# Altium PCB UmTRXv2.PcbDoc (part 13 of 25)
Units mm, origin at the board's own origin, x right, y up, seen from the top; angles counter-clockwise.
Board outline 159.5 x 99.5 mm, 6 copper layers (Top Layer, GND, MidLayer1, Mid-Layer 2, InternalPlane2, Bottom Layer), stack 1.526 mm thick; 708 components, 578 nets, 2802 pads, 1408 vias.
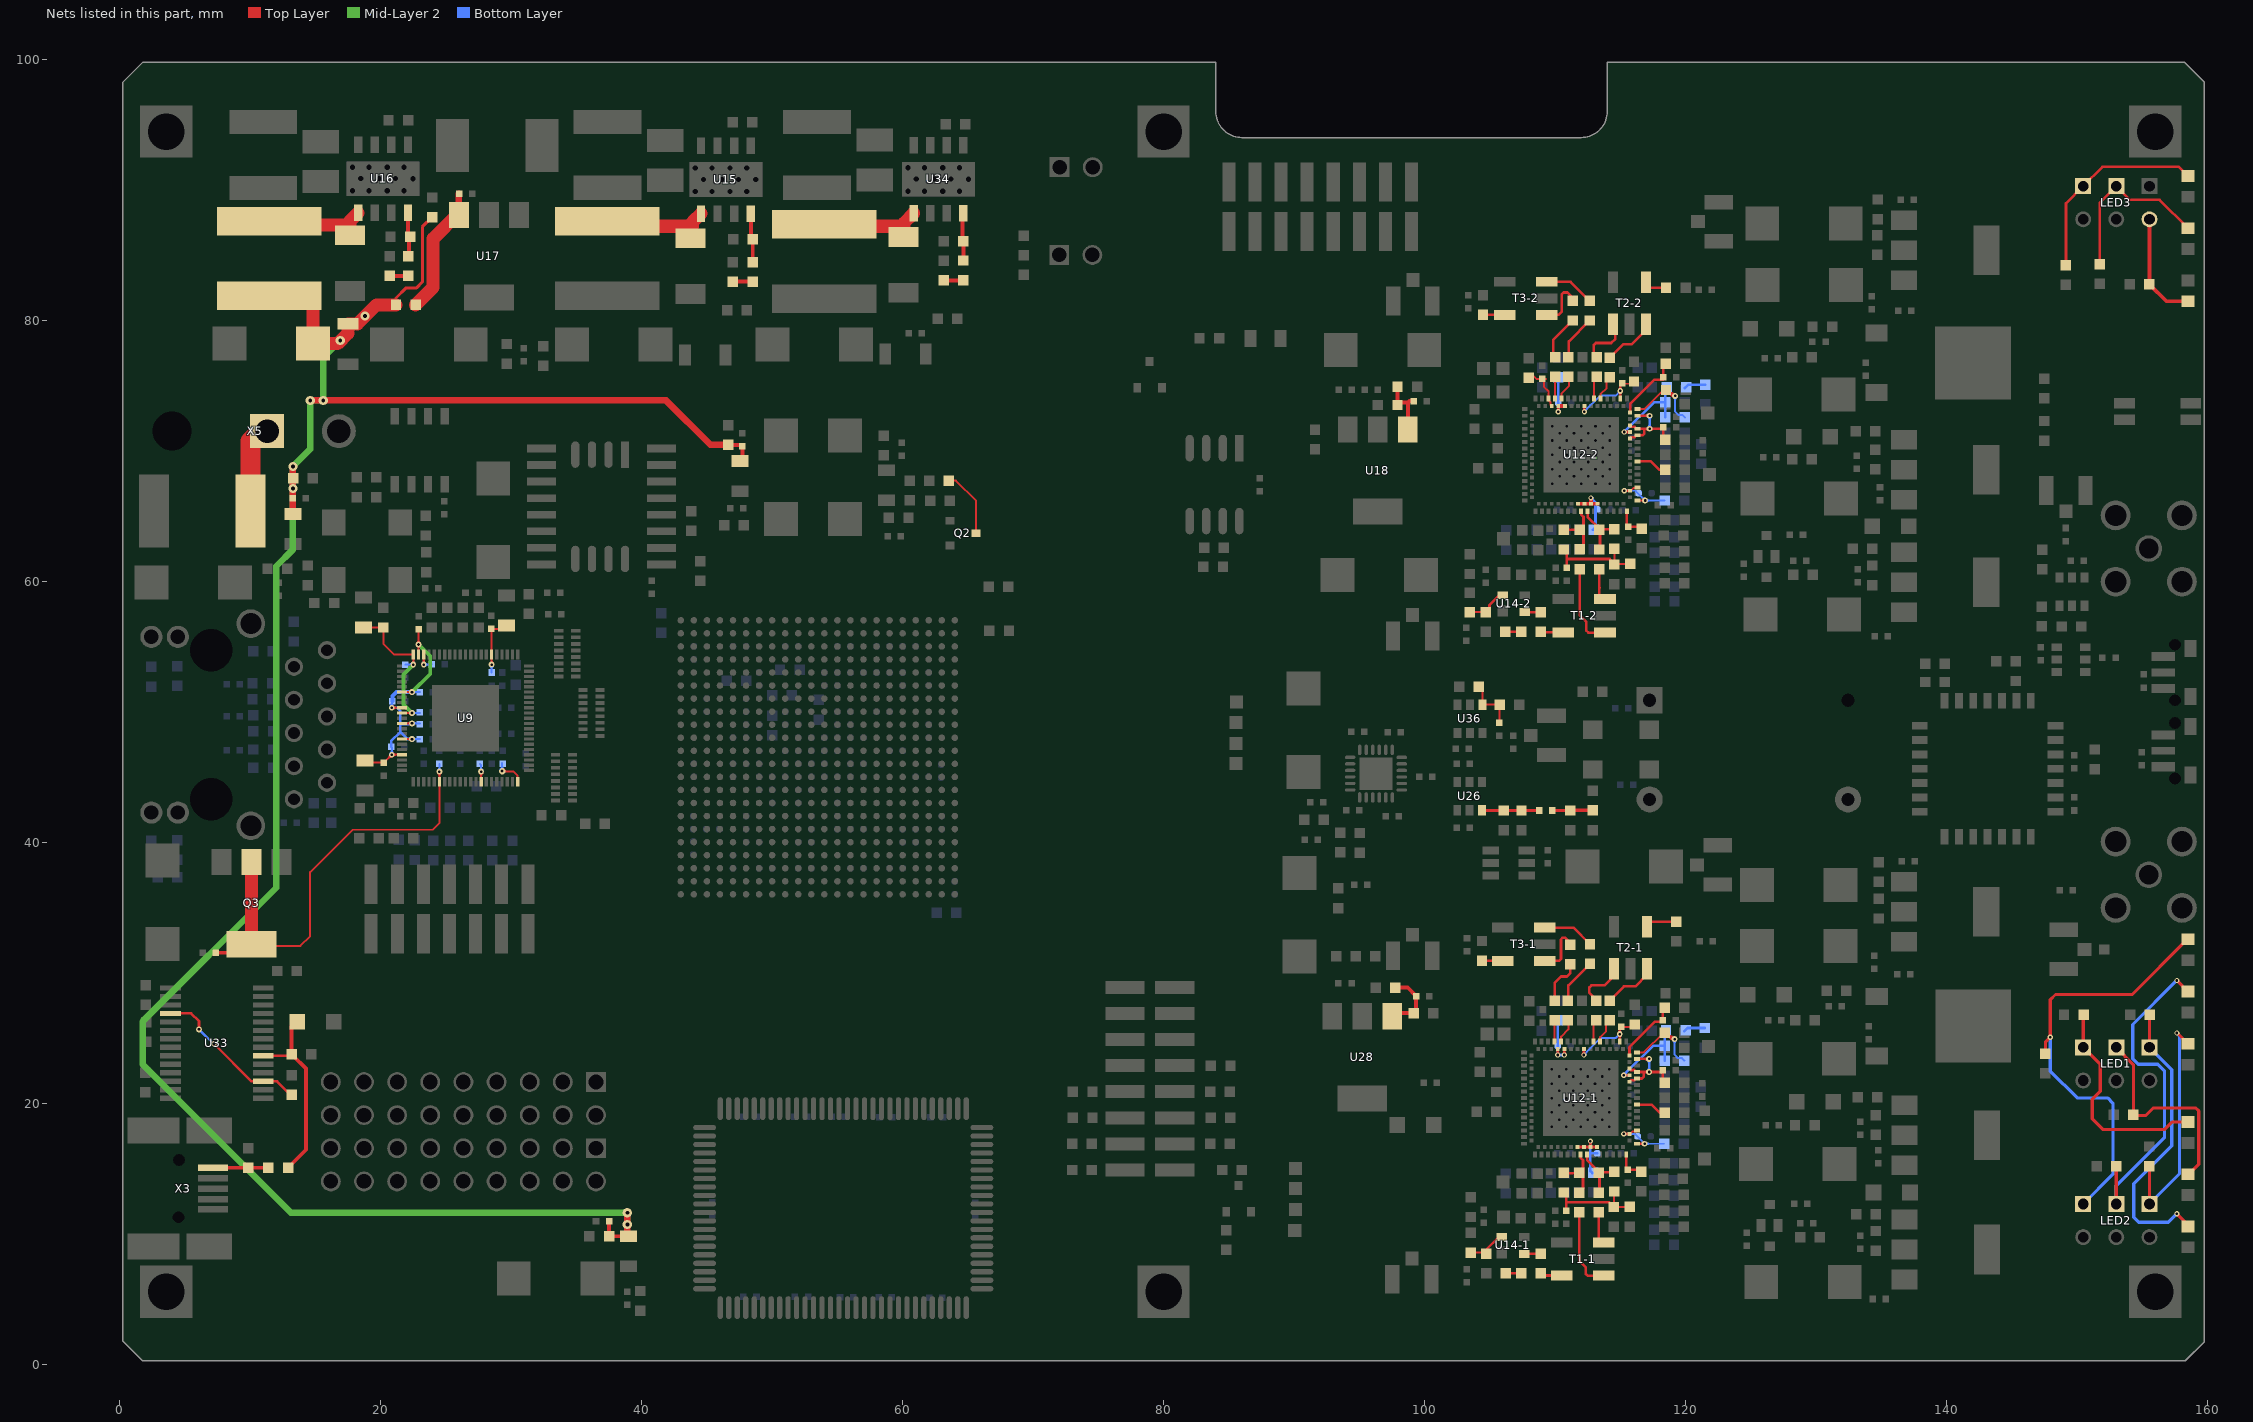
[diagram p17: the nets of this part, all layers, seen from the top]

## Via types
v1: diameter 0.5, hole 0.2, Top Layer to Bottom Layer, tented both sides, 441 vias
v2: diameter 0.45, hole 0.2, Top Layer to Bottom Layer, tented both sides, 429 vias
v3: diameter 0.7, hole 0.3, Top Layer to Bottom Layer, tented both sides, 258 vias
v4: diameter 0.4, hole 0.2, Top Layer to Bottom Layer, tented both sides, 197 vias
v5: diameter 0.8, hole 0.3, Top Layer to Bottom Layer, tented both sides, 61 vias
v6: diameter 0.6, hole 0.25, Top Layer to Bottom Layer, tented both sides, 16 vias
v7: diameter 0.6, hole 0.3, Top Layer to Bottom Layer, tented both sides, 4 vias
v8: diameter 1, hole 0.5, Top Layer to Bottom Layer, tented both sides, 2 vias

## Nets (pads, with @x,y where several pads share a name; then routed paths per layer and width w, separated by ;. In a path a pad name is that pad's centre, name@x,y a point inside that pad or via, vN(x,y) a via of type N, cw(c..) or ccw(c..) an arc to the next point about the centre after c; other vN are vias at no path point) (continued)
NetC86-2_1: C86-2.1 L21-2.1 U12-2.111 U12-2.112 | length 3.2
  Top Layer w0.15: 108.396,75.68 108.596,75.48 C86-2.1@109.146,75.48 ; 109.296,75.48 C86-2.1@109.146,75.48 ; U12-2.111@109.696,73.48 109.646,73.53 109.646,73.73 109.496,73.88 U12-2.112@109.496,74.005 109.496,74.554 109.146,74.904 C86-2.1@109.146,75.48
NetC87-1_1: C87-1.1 L22-1.2 U12-1.58 | length 2.3
  Top Layer w0.2: U12-1.58@115.457,16.063 115.457,14.988 C87-1.1@115.557,14.888 116.457,14.888 L22-1.2@116.607,14.738
NetC87-2_1: C87-2.1 L22-2.2 U12-2.58 | length 2.3
  Top Layer w0.2: U12-2.58@115.496,65.355 115.496,64.28 C87-2.1@115.596,64.18 116.496,64.18 L22-2.2@116.646,64.03
NetC88-1_1: C88-1.1 L23-1.1 U12-1.107 U12-1.109 | length 9.4
  Top Layer w0.2: v4@110.207,23.713 U12-1.109@110.207,24.138 ; v4@110.707,23.713 U12-1.107@110.707,24.138 ; v4@110.136,23.759 ccw(c109.966,23.93) 110.207,23.93 ; v4@110.136,23.759 ccw(c109.966,23.93) 110.207,23.93 ; v4@110.136,23.759 ccw(c109.966,23.93) 110.207,23.93 ; 110.207,23.93 ccw(c110.448,23.93) v4@110.278,23.759 ; 110.207,23.93 ccw(c110.448,23.93) v4@110.278,23.759 ; 110.207,23.93 ccw(c110.448,23.93) v4@110.278,23.759 ; v4@110.636,23.759 ccw(c110.466,23.93) 110.707,23.93 ; v4@110.636,23.759 ccw(c110.466,23.93) 110.707,23.93 ; v4@110.636,23.759 ccw(c110.466,23.93) 110.707,23.93 ; 110.707,23.93 ccw(c110.948,23.93) v4@110.778,23.759 ; 110.707,23.93 ccw(c110.948,23.93) v4@110.778,23.759 ; 110.707,23.93 ccw(c110.948,23.93) v4@110.778,23.759
  Bottom Layer w0.2: L23-1.1@110.207,26.088 v4(110.207,23.688) v4(110.707,23.688) ; v4@110.136,23.759 ccw(c109.966,23.93) 110.207,23.93 ; v4@110.136,23.759 ccw(c109.966,23.93) 110.207,23.93 ; v4@110.136,23.759 ccw(c109.966,23.93) 110.207,23.93 ; 110.207,23.93 ccw(c110.448,23.93) v4@110.278,23.759 ; 110.207,23.93 ccw(c110.448,23.93) v4@110.278,23.759 ; 110.207,23.93 ccw(c110.448,23.93) v4@110.278,23.759 ; v4@110.278,23.617 cw(c110.448,23.447) 110.448,23.688 ; v4@110.278,23.617 cw(c110.448,23.447) 110.448,23.688 ; v4@110.278,23.617 cw(c110.448,23.447) 110.448,23.688 ; v4@110.278,23.759 ccw(c110.448,23.93) 110.448,23.688 ; v4@110.278,23.759 ccw(c110.448,23.93) 110.448,23.688 ; v4@110.278,23.759 ccw(c110.448,23.93) 110.448,23.688 ; 110.466,23.688 cw(c110.466,23.447) v4@110.636,23.617 ; 110.466,23.688 ccw(c110.466,23.93) v4@110.636,23.759 ; 110.466,23.688 ccw(c110.466,23.93) v4@110.636,23.759 ; 110.466,23.688 cw(c110.466,23.447) v4@110.636,23.617 ; 110.466,23.688 ccw(c110.466,23.93) v4@110.636,23.759 ; 110.466,23.688 cw(c110.466,23.447) v4@110.636,23.617
NetC88-2_1: C88-2.1 L23-2.1 U12-2.107 U12-2.109 | length 5.5
  Top Layer w0.2: v4@110.246,73.005 U12-2.109@110.246,73.43 ; v4@110.175,73.051 ccw(c110.005,73.221) 110.246,73.221 ; v4@110.175,73.051 ccw(c110.005,73.221) 110.246,73.221 ; v4@110.175,73.051 ccw(c110.005,73.221) 110.246,73.221 ; 110.246,73.221 ccw(c110.487,73.221) v4@110.317,73.051 ; 110.246,73.221 ccw(c110.487,73.221) v4@110.317,73.051 ; 110.246,73.221 ccw(c110.487,73.221) v4@110.317,73.051
  Top Layer w0.3: U12-2.109@110.321,73.43 U12-2.107@110.746,73.43
  Bottom Layer w0.2: v4(110.246,72.98) L23-2.1@110.246,75.38 ; v4@110.175,73.051 ccw(c110.005,73.221) 110.246,73.221 ; v4@110.175,73.051 ccw(c110.005,73.221) 110.246,73.221 ; v4@110.175,73.051 ccw(c110.005,73.221) 110.246,73.221 ; 110.246,73.221 ccw(c110.487,73.221) v4@110.317,73.051 ; 110.246,73.221 ccw(c110.487,73.221) v4@110.317,73.051 ; 110.246,73.221 ccw(c110.487,73.221) v4@110.317,73.051
NetC89-1_1: C89-1.1 L24-1.2 U12-1.59 U12-1.62 U12-1.63 | length 11.1
  Top Layer w0.15: U12-1.62@115.707,17.638 115.757,17.638 115.957,17.838 116.232,17.838 U12-1.63@116.282,17.888 ; U12-1.59@116.282,16.888 v2(116.857,16.888) ; U12-1.59@116.495,16.888 cw(c116.495,16.526) v2@116.751,16.782 ; U12-1.59@116.495,16.888 ccw(c116.495,17.25) v2@116.751,16.994 ; U12-1.59@116.495,16.888 ccw(c116.495,17.25) v2@116.751,16.994 ; U12-1.59@116.495,16.888 cw(c116.495,16.526) v2@116.751,16.782 ; U12-1.59@116.495,16.888 ccw(c116.495,17.25) v2@116.751,16.994 ; U12-1.59@116.495,16.888 cw(c116.495,16.526) v2@116.751,16.782
  Top Layer w0.2: v4@115.282,17.638 U12-1.62@115.707,17.638 ; v4@115.328,17.567 cw(c115.498,17.397) 115.498,17.638 ; v4@115.328,17.567 cw(c115.498,17.397) 115.498,17.638 ; v4@115.328,17.567 cw(c115.498,17.397) 115.498,17.638 ; v4@115.328,17.709 ccw(c115.498,17.879) 115.498,17.638 ; v4@115.328,17.709 ccw(c115.498,17.879) 115.498,17.638 ; v4@115.328,17.709 ccw(c115.498,17.879) 115.498,17.638
  Bottom Layer w0.15: v4(115.257,17.638) 116.107,17.638 v2(116.857,16.888) L24-1.2@118.357,16.888 ; v4@115.345,17.55 cw(c115.559,17.336) 115.559,17.638 ; v4@115.345,17.55 cw(c115.559,17.336) 115.559,17.638 ; v4@115.345,17.55 cw(c115.559,17.336) 115.559,17.638 ; v4@115.345,17.726 ccw(c115.559,17.94) 115.559,17.638 ; v4@115.345,17.726 ccw(c115.559,17.94) 115.559,17.638 ; v4@115.345,17.726 ccw(c115.559,17.94) 115.559,17.638 ; v2@116.963,16.782 cw(c117.219,16.526) 117.219,16.888 ; v2@116.963,16.782 cw(c117.219,16.526) 117.219,16.888 ; v2@116.963,16.782 cw(c117.219,16.526) 117.219,16.888 ; v2@116.963,16.994 ccw(c117.219,17.25) 117.219,16.888 ; v2@116.963,16.994 ccw(c117.219,17.25) 117.219,16.888 ; v2@116.963,16.994 ccw(c117.219,17.25) 117.219,16.888
NetC89-2_1: C89-2.1 L24-2.2 U12-2.59 U12-2.62 U12-2.63 | length 12.7
  Top Layer w0.15: U12-2.62@115.746,66.93 115.796,66.93 115.996,67.13 116.271,67.13 U12-2.63@116.321,67.18 ; U12-2.59@116.321,66.18 v2(116.896,66.18) ; U12-2.59@116.534,66.18 cw(c116.534,65.818) v2@116.79,66.074 ; U12-2.59@116.534,66.18 ccw(c116.534,66.542) v2@116.79,66.286 ; U12-2.59@116.534,66.18 ccw(c116.534,66.542) v2@116.79,66.286 ; U12-2.59@116.534,66.18 cw(c116.534,65.818) v2@116.79,66.074 ; U12-2.59@116.534,66.18 ccw(c116.534,66.542) v2@116.79,66.286 ; U12-2.59@116.534,66.18 cw(c116.534,65.818) v2@116.79,66.074
  Top Layer w0.2: v4@115.321,66.93 U12-2.62@115.746,66.93 ; v4@115.367,66.859 cw(c115.537,66.688) 115.537,66.93 ; v4@115.367,66.859 cw(c115.537,66.688) 115.537,66.93 ; v4@115.367,66.859 cw(c115.537,66.688) 115.537,66.93 ; v4@115.367,67.001 ccw(c115.537,67.171) 115.537,66.93 ; v4@115.367,67.001 ccw(c115.537,67.171) 115.537,66.93 ; v4@115.367,67.001 ccw(c115.537,67.171) 115.537,66.93
  Bottom Layer w0.15: v4@115.325,66.93 116.146,66.93 v2(116.896,66.18) L24-2.2@118.396,66.18 ; v4@115.384,66.841 cw(c115.598,66.628) 115.598,66.93 ; v4@115.384,66.841 cw(c115.598,66.628) 115.598,66.93 ; v4@115.384,66.841 cw(c115.598,66.628) 115.598,66.93 ; v4@115.384,67.018 ccw(c115.598,67.232) 115.598,66.93 ; v4@115.384,67.018 ccw(c115.598,67.232) 115.598,66.93 ; v4@115.384,67.018 ccw(c115.598,67.232) 115.598,66.93 ; 116.64,66.436 cw(c116.384,66.18) v2@116.746,66.18 ; 116.64,66.436 ccw(c116.896,66.692) v2@116.896,66.33 ; 116.64,66.436 ccw(c116.896,66.692) v2@116.896,66.33 ; 116.64,66.436 cw(c116.384,66.18) v2@116.746,66.18 ; 116.64,66.436 ccw(c116.896,66.692) v2@116.896,66.33 ; 116.64,66.436 cw(c116.384,66.18) v2@116.746,66.18 ; v2@117.002,66.074 cw(c117.258,65.818) 117.258,66.18 ; v2@117.002,66.074 cw(c117.258,65.818) 117.258,66.18 ; v2@117.002,66.074 cw(c117.258,65.818) 117.258,66.18 ; v2@117.002,66.286 ccw(c117.258,66.542) 117.258,66.18 ; v2@117.002,66.286 ccw(c117.258,66.542) 117.258,66.18 ; v2@117.002,66.286 ccw(c117.258,66.542) 117.258,66.18
  other v4: 115.296,66.93
NetC90-1_1: C90-1.1 L25-1.1 U12-1.90 U12-1.101 | length 11.7
  Top Layer w0.15: U12-1.90@114.957,24.713 v2(114.957,25.288) 114.957,25.838 115.757,25.838 L25-1.1@115.907,25.988 ; v2@114.851,25.182 cw(c114.595,24.926) U12-1.90@114.957,24.926 ; v2@114.851,25.182 cw(c114.595,24.926) U12-1.90@114.957,24.926 ; v2@114.851,25.182 cw(c114.595,24.926) U12-1.90@114.957,24.926 ; v2@114.851,25.394 ccw(c114.595,25.65) C90-1.1@114.957,25.65 ; v2@114.851,25.394 ccw(c114.595,25.65) C90-1.1@114.957,25.65 ; v2@114.851,25.394 ccw(c114.595,25.65) C90-1.1@114.957,25.65 ; U12-1.90@114.957,24.926 cw(c115.319,24.926) 115.063,25.182 ccw(c115.319,24.926) U12-1.90@114.957,24.926 ; C90-1.1@114.957,25.65 ccw(c115.319,25.65) v2@115.063,25.394 ; C90-1.1@114.957,25.65 ccw(c115.319,25.65) v2@115.063,25.394 ; C90-1.1@114.957,25.65 ccw(c115.319,25.65) v2@115.063,25.394
  Top Layer w0.2: v4@112.207,23.713 U12-1.101@112.207,24.138 ; v4@112.136,23.759 ccw(c111.966,23.93) 112.207,23.93 ; v4@112.136,23.759 ccw(c111.966,23.93) 112.207,23.93 ; v4@112.136,23.759 ccw(c111.966,23.93) 112.207,23.93 ; 112.207,23.93 ccw(c112.448,23.93) v4@112.278,23.759 ; 112.207,23.93 ccw(c112.448,23.93) v4@112.278,23.759 ; 112.207,23.93 ccw(c112.448,23.93) v4@112.278,23.759
  Bottom Layer w0.15: v4(112.207,23.688) 112.207,23.718 113.489,25 114.669,25 v2(114.957,25.288) ; v4@112.207,23.813 ccw(c112.207,24.042) 112.369,23.88 ; v4@112.207,23.813 ccw(c112.207,24.042) 112.369,23.88 ; v4@112.207,23.813 ccw(c112.207,24.042) 112.369,23.88 ; v4@112.332,23.688 cw(c112.707,23.688) 112.442,23.953 ; v4@112.332,23.688 cw(c112.707,23.688) 112.442,23.953 ; v4@112.332,23.688 cw(c112.707,23.688) 112.442,23.953
NetC90-2_1: C90-2.1 L25-2.1 U12-2.90 U12-2.101 | length 12
  Top Layer w0.15: U12-2.90@114.996,74.005 v2(114.996,74.58) 114.996,75.13 115.796,75.13 L25-2.1@115.946,75.28 ; v2@114.89,74.474 cw(c114.634,74.218) U12-2.90@114.996,74.218 ; v2@114.89,74.474 cw(c114.634,74.218) U12-2.90@114.996,74.218 ; v2@114.89,74.474 cw(c114.634,74.218) U12-2.90@114.996,74.218 ; v2@114.89,74.686 ccw(c114.634,74.942) C90-2.1@114.996,74.942 ; v2@114.89,74.686 ccw(c114.634,74.942) C90-2.1@114.996,74.942 ; v2@114.89,74.686 ccw(c114.634,74.942) C90-2.1@114.996,74.942 ; U12-2.90@114.996,74.218 cw(c115.358,74.218) v2@115.102,74.474 ; U12-2.90@114.996,74.218 cw(c115.358,74.218) v2@115.102,74.474 ; U12-2.90@114.996,74.218 cw(c115.358,74.218) v2@115.102,74.474 ; C90-2.1@114.996,74.942 ccw(c115.358,74.942) v2@115.102,74.686 ; C90-2.1@114.996,74.942 ccw(c115.358,74.942) v2@115.102,74.686 ; C90-2.1@114.996,74.942 ccw(c115.358,74.942) v2@115.102,74.686
  Top Layer w0.2: v4@112.246,73.005 U12-2.101@112.246,73.43 ; v4@112.175,73.051 ccw(c112.005,73.221) 112.246,73.221 ; v4@112.175,73.051 ccw(c112.005,73.221) 112.246,73.221 ; v4@112.175,73.051 ccw(c112.005,73.221) 112.246,73.221 ; 112.246,73.221 ccw(c112.487,73.221) v4@112.317,73.051 ; 112.246,73.221 ccw(c112.487,73.221) v4@112.317,73.051 ; 112.246,73.221 ccw(c112.487,73.221) v4@112.317,73.051
  Bottom Layer w0.15: v4(112.246,72.98) 112.246,73.01 113.461,74.225 114.641,74.225 v2(114.996,74.58) ; v4@112.246,73.105 ccw(c112.246,73.333) 112.408,73.172 ; v4@112.246,73.105 ccw(c112.246,73.333) 112.408,73.172 ; v4@112.246,73.105 ccw(c112.246,73.333) 112.408,73.172 ; v4@112.371,72.98 cw(c112.746,72.98) 112.481,73.245 ; v4@112.371,72.98 cw(c112.746,72.98) 112.481,73.245 ; v4@112.371,72.98 cw(c112.746,72.98) 112.481,73.245
NetC91-1_1: C91-1.1 L26-1.2 U12-1.78 U12-1.79 U12-1.81 U12-1.82 U12-1.85 | length 13.9
  Top Layer w0.2: U12-1.78@115.707,21.638 115.807,21.738 116.057,21.738 116.207,21.888 U12-1.79@116.282,21.888 116.657,21.888 116.807,22.038 116.807,22.388 ; U12-1.82@115.707,22.638 115.807,22.538 116.057,22.538 116.207,22.388 116.807,22.388 ; U12-1.85@116.282,23.388 v2@117.107,23.388 ; L26-1.2@118.257,21.738 118.257,22.438 118.207,22.388 v2(117.207,22.388) 116.807,22.388 ; 116.905,22.388 cw(c116.905,22.086) v2@117.119,22.3 ; 116.905,22.388 ccw(c116.905,22.69) v2@117.119,22.476 ; 116.905,22.388 ccw(c116.905,22.69) v2@117.119,22.476 ; 116.905,22.388 cw(c116.905,22.086) v2@117.119,22.3 ; 116.905,22.388 ccw(c116.905,22.69) v2@117.119,22.476 ; 116.905,22.388 cw(c116.905,22.086) v2@117.119,22.3 ; 116.905,23.388 cw(c116.905,23.086) v2@117.119,23.3 ; 116.905,23.388 ccw(c116.905,23.69) v2@117.119,23.476 ; 116.905,23.388 ccw(c116.905,23.69) v2@117.119,23.476 ; 116.905,23.388 cw(c116.905,23.086) v2@117.119,23.3 ; 116.905,23.388 ccw(c116.905,23.69) v2@117.119,23.476 ; 116.905,23.388 cw(c116.905,23.086) v2@117.119,23.3 ; v2@117.295,22.3 cw(c117.509,22.086) 117.509,22.388 ; v2@117.295,22.3 cw(c117.509,22.086) 117.509,22.388 ; v2@117.295,22.3 cw(c117.509,22.086) 117.509,22.388 ; v2@117.295,22.476 ccw(c117.509,22.69) 117.509,22.388 ; v2@117.295,22.476 ccw(c117.509,22.69) 117.509,22.388 ; v2@117.295,22.476 ccw(c117.509,22.69) 117.509,22.388
  Bottom Layer w0.2: v2(117.207,22.388) v2(117.207,23.388) ; v2@117.119,22.476 ccw(c116.905,22.69) 117.207,22.69 ; v2@117.119,22.476 ccw(c116.905,22.69) 117.207,22.69 ; v2@117.119,22.476 ccw(c116.905,22.69) 117.207,22.69 ; v2@117.119,23.3 cw(c116.905,23.086) 117.207,23.086 ; v2@117.119,23.3 cw(c116.905,23.086) 117.207,23.086 ; v2@117.119,23.3 cw(c116.905,23.086) 117.207,23.086 ; 117.207,22.69 ccw(c117.509,22.69) v2@117.295,22.476 ; 117.207,22.69 ccw(c117.509,22.69) v2@117.295,22.476 ; 117.207,22.69 ccw(c117.509,22.69) v2@117.295,22.476 ; 117.207,23.086 cw(c117.509,23.086) v2@117.295,23.3 ; 117.207,23.086 cw(c117.509,23.086) v2@117.295,23.3 ; 117.207,23.086 cw(c117.509,23.086) v2@117.295,23.3
NetC91-2_1: C91-2.1 L26-2.2 U12-2.78 U12-2.79 U12-2.81 U12-2.82 U12-2.85 | length 13.9
  Top Layer w0.2: U12-2.78@115.746,70.93 115.846,71.03 116.096,71.03 116.246,71.18 U12-2.79@116.321,71.18 116.696,71.18 116.846,71.33 116.846,71.68 ; U12-2.82@115.746,71.93 115.846,71.83 116.096,71.83 116.246,71.68 116.846,71.68 ; U12-2.85@116.321,72.68 v2@117.146,72.68 ; L26-2.2@118.296,71.03 118.296,71.73 118.246,71.68 v2(117.246,71.68) 116.846,71.68 ; 116.944,71.68 cw(c116.944,71.378) v2@117.158,71.591 ; 116.944,71.68 ccw(c116.944,71.982) v2@117.158,71.768 ; 116.944,71.68 ccw(c116.944,71.982) v2@117.158,71.768 ; 116.944,71.68 cw(c116.944,71.378) v2@117.158,71.591 ; 116.944,71.68 ccw(c116.944,71.982) v2@117.158,71.768 ; 116.944,71.68 cw(c116.944,71.378) v2@117.158,71.591 ; 116.944,72.68 cw(c116.944,72.378) v2@117.158,72.591 ; 116.944,72.68 ccw(c116.944,72.982) v2@117.158,72.768 ; 116.944,72.68 ccw(c116.944,72.982) v2@117.158,72.768 ; 116.944,72.68 cw(c116.944,72.378) v2@117.158,72.591 ; 116.944,72.68 ccw(c116.944,72.982) v2@117.158,72.768 ; 116.944,72.68 cw(c116.944,72.378) v2@117.158,72.591 ; v2@117.334,71.591 cw(c117.548,71.378) 117.548,71.68 ; v2@117.334,71.591 cw(c117.548,71.378) 117.548,71.68 ; v2@117.334,71.591 cw(c117.548,71.378) 117.548,71.68 ; v2@117.334,71.768 ccw(c117.548,71.982) 117.548,71.68 ; v2@117.334,71.768 ccw(c117.548,71.982) 117.548,71.68 ; v2@117.334,71.768 ccw(c117.548,71.982) 117.548,71.68
  Bottom Layer w0.2: v2(117.246,71.68) v2(117.246,72.68) ; v2@117.158,71.768 ccw(c116.944,71.982) 117.246,71.982 ; v2@117.158,71.768 ccw(c116.944,71.982) 117.246,71.982 ; v2@117.158,71.768 ccw(c116.944,71.982) 117.246,71.982 ; v2@117.158,72.591 cw(c116.944,72.378) 117.246,72.378 ; v2@117.158,72.591 cw(c116.944,72.378) 117.246,72.378 ; v2@117.158,72.591 cw(c116.944,72.378) 117.246,72.378 ; 117.246,71.982 ccw(c117.548,71.982) v2@117.334,71.768 ; 117.246,71.982 ccw(c117.548,71.982) v2@117.334,71.768 ; 117.246,71.982 ccw(c117.548,71.982) v2@117.334,71.768 ; 117.246,72.378 cw(c117.548,72.378) v2@117.334,72.591 ; 117.246,72.378 cw(c117.548,72.378) v2@117.334,72.591 ; 117.246,72.378 cw(c117.548,72.378) v2@117.334,72.591
NetC92-1_1: C92-1.1 L27-1.1 U12-1.43 U12-1.45 U12-1.47 U12-1.49 | length 6.1
  Top Layer w0.2: U12-1.43@111.707,16.638 U12-1.45@112.207,16.638 U12-1.47@112.707,16.638 ; v4@112.707,17.063 U12-1.47@112.707,16.638 ; U12-1.49@113.207,16.638 U12-1.47@112.707,16.638 ; v4@112.636,17.017 cw(c112.466,16.847) 112.707,16.847 ; v4@112.636,17.017 cw(c112.466,16.847) 112.707,16.847 ; v4@112.636,17.017 cw(c112.466,16.847) 112.707,16.847 ; 112.707,16.847 cw(c112.948,16.847) v4@112.778,17.017 ; 112.707,16.847 cw(c112.948,16.847) v4@112.778,17.017 ; 112.707,16.847 cw(c112.948,16.847) v4@112.778,17.017
  Bottom Layer w0.2: v4(112.707,17.088) 112.707,16.157 112.7,16.15 ; L27-1.1@112.857,14.638 112.707,14.788 112.707,16.143 112.7,16.15 ; C92-1.1@113.225,16.15 112.7,16.15
NetC92-2_1: C92-2.1 L27-2.1 U12-2.43 U12-2.45 U12-2.47 U12-2.49 | length 5.7
  Top Layer w0.3: U12-2.43@111.746,65.93 U12-2.45@112.246,65.93 U12-2.47@112.746,65.93 ; v4@112.746,66.355 U12-2.47@112.746,65.93 ; U12-2.49@113.246,65.93 U12-2.47@112.746,65.93
  Bottom Layer w0.2: v4(112.746,66.38) 113.1,66.026 113.1,64.134 L27-2.1@112.896,63.93 ; v4@112.746,66.28 cw(c112.746,66.038) 112.917,66.209 ; v4@112.746,66.28 cw(c112.746,66.038) 112.917,66.209 ; v4@112.746,66.28 cw(c112.746,66.038) 112.917,66.209 ; v4@112.846,66.38 ccw(c113.087,66.38) 112.917,66.209 ; v4@112.846,66.38 ccw(c113.087,66.38) 112.917,66.209 ; v4@112.846,66.38 ccw(c113.087,66.38) 112.917,66.209
NetC93-1_1: C93-1.1 L28-1.2 U12-1.86 | length 5.1
  Top Layer w0.2: U12-1.86@115.707,23.638 115.707,24.289 117.668,26.25 118.257,26.25 118.257,27.088 L28-1.2@118.407,27.238
NetC93-2_1: C93-2.1 L28-2.2 U12-2.86 | length 5.1
  Top Layer w0.2: U12-2.86@115.746,72.93 115.746,73.581 117.595,75.43 C93-2.1@118.296,75.43 ; C93-2.1@118.296,75.48 118.296,76.38 L28-2.2@118.446,76.53
NetC94-1_2: C94-1.2 C95-1.1 L29-1.1 L30-1.1 L31-1.1 | length 7.5
  Top Layer w0.15: L31-1.1@114.507,13.188 C95-1.1@114.507,12.038 L29-1.1@115.607,12.038
  Top Layer w0.2: L30-1.1@110.757,13.138 110.857,13.038 110.857,12.429 ; C94-1.2@110.857,11.738 110.857,12.429 ; C95-1.1@114.507,12.038 114.138,12.407 110.879,12.407 110.857,12.429
NetC94-2_2: C94-2.2 C95-2.1 L29-2.1 L30-2.1 L31-2.1 | length 7.5
  Top Layer w0.15: L31-2.1@114.546,62.48 114.546,61.33 L29-2.1@115.646,61.33
  Top Layer w0.2: L30-2.1@110.796,62.43 110.896,62.33 110.896,61.721 ; C94-2.2@110.896,61.03 110.896,61.721 ; C95-2.1@114.546,61.33 114.177,61.699 110.918,61.699 110.896,61.721
NetC96-1_1: C96-1.1 C105-1.1 L31-1.2 U12-1.46 | length 4.4
  Top Layer w0.2: U12-1.46@112.457,16.063 112.457,15.638 C96-1.1@113.407,14.688 ; C105-1.1@113.357,13.138 113.407,13.188 C96-1.1@113.407,14.688 ; L31-1.2@114.507,14.688 C96-1.1@113.407,14.688
NetC96-1_2: C96-1.2 C104-1.1 L30-1.2 U12-1.44 | length 4.3
  Top Layer w0.2: L30-1.2@110.757,14.638 111.857,14.638 C96-1.2@111.907,14.688 ; C104-1.1@111.857,13.138 112.136,13.417 112.136,15.634 111.957,15.813 U12-1.44@111.957,16.063
NetC96-2_1: C96-2.1 C105-2.1 L31-2.2 U12-2.46 | length 4.4
  Top Layer w0.2: U12-2.46@112.496,65.355 112.496,64.93 C96-2.1@113.446,63.98 ; C105-2.1@113.396,62.43 113.446,62.48 C96-2.1@113.446,63.98 ; L31-2.2@114.546,63.98 C96-2.1@113.446,63.98
NetC96-2_2: C96-2.2 C104-2.1 L30-2.2 U12-2.44 | length 4.3
  Top Layer w0.2: L30-2.2@110.796,63.93 111.896,63.93 C96-2.2@111.946,63.98 ; C104-2.1@111.896,62.43 112.175,62.709 112.175,64.926 111.996,65.105 U12-2.44@111.996,65.355
NetC97-1_2: C97-1.2 R119-1.1 U12-1.87 | length 15
  Top Layer w0.15: U12-1.87@116.282,23.888 116.807,23.888 118.327,25.408 C97-1.2@118.411,25.408 118.911,24.908 ; v2@119.017,24.949 ccw(c118.878,24.988) 118.98,25.089 ccw(c119.081,25.191) v2@119.12,25.053 ; C97-1.2@118.478,25.341 ccw(c119.161,26.023) v2@119.161,25.058 ; C97-1.2@118.478,25.341 ccw(c119.161,26.023) v2@119.161,25.058 ; C97-1.2@118.478,25.341 ccw(c119.161,26.023) v2@119.161,25.058 ; C97-1.2@118.734,25.085 ccw(c119.161,25.511) v2(119.161,24.908) ; C97-1.2@118.734,25.085 ccw(c119.161,25.511) v2(119.161,24.908) ; C97-1.2@118.734,25.085 ccw(c119.161,25.511) v2(119.161,24.908) ; 118.859,24.989 cw(c118.795,24.748) v2@119.024,24.848 ; 118.859,24.989 ccw(c118.924,25.23) v2@119.072,25.029 ; 118.859,24.989 ccw(c118.924,25.23) v2@119.072,25.029 ; 118.859,24.989 cw(c118.795,24.748) v2@119.024,24.848 ; 118.859,24.989 ccw(c118.924,25.23) v2@119.072,25.029 ; 118.859,24.989 cw(c118.795,24.748) v2@119.024,24.848 ; 118.861,25.139 cw(c118.733,24.661) v2(119.161,24.908) ; 118.861,25.139 cw(c118.733,24.661) v2(119.161,24.908) ; 118.861,25.139 cw(c118.733,24.661) v2(119.161,24.908) ; 118.911,24.908 cw(c118.911,24.775) v2@119.029,24.838 ; 118.911,24.908 ccw(c118.911,25.041) v2@119.029,24.979 ; 118.911,24.908 ccw(c118.911,25.041) v2@119.029,24.979 ; 118.911,24.908 cw(c118.911,24.775) v2@119.029,24.838 ; 118.911,24.908 ccw(c118.911,25.041) v2@119.029,24.979 ; 118.911,24.908 cw(c118.911,24.775) v2@119.029,24.838 ; 118.911,24.908 v2(119.161,24.908)
  Bottom Layer w0.15: v2(119.161,24.908) 119.111,24.858 119.161,24.808 119.161,23.708 119.411,23.458 119.711,23.458 R119-1.1@119.911,23.258 ; v2@119.055,24.802 cw(c118.799,24.546) 119.161,24.546 ; v2@119.055,24.802 cw(c118.799,24.546) 119.161,24.546 ; v2@119.055,24.802 cw(c118.799,24.546) 119.161,24.546 ; 119.161,24.546 cw(c119.523,24.546) v2@119.267,24.802 ; 119.161,24.546 cw(c119.523,24.546) v2@119.267,24.802 ; 119.161,24.546 cw(c119.523,24.546) v2@119.267,24.802